# Altium PCB HVAC_Segmented_LCD.PcbDoc
Units mm, origin at the board's own origin, x right, y up, seen from the top; angles counter-clockwise.
Board outline 86.23 x 101.6 mm, 2 copper layers (Top Layer, Bottom Layer); 84 components, 65 nets, 288 pads, 206 vias.
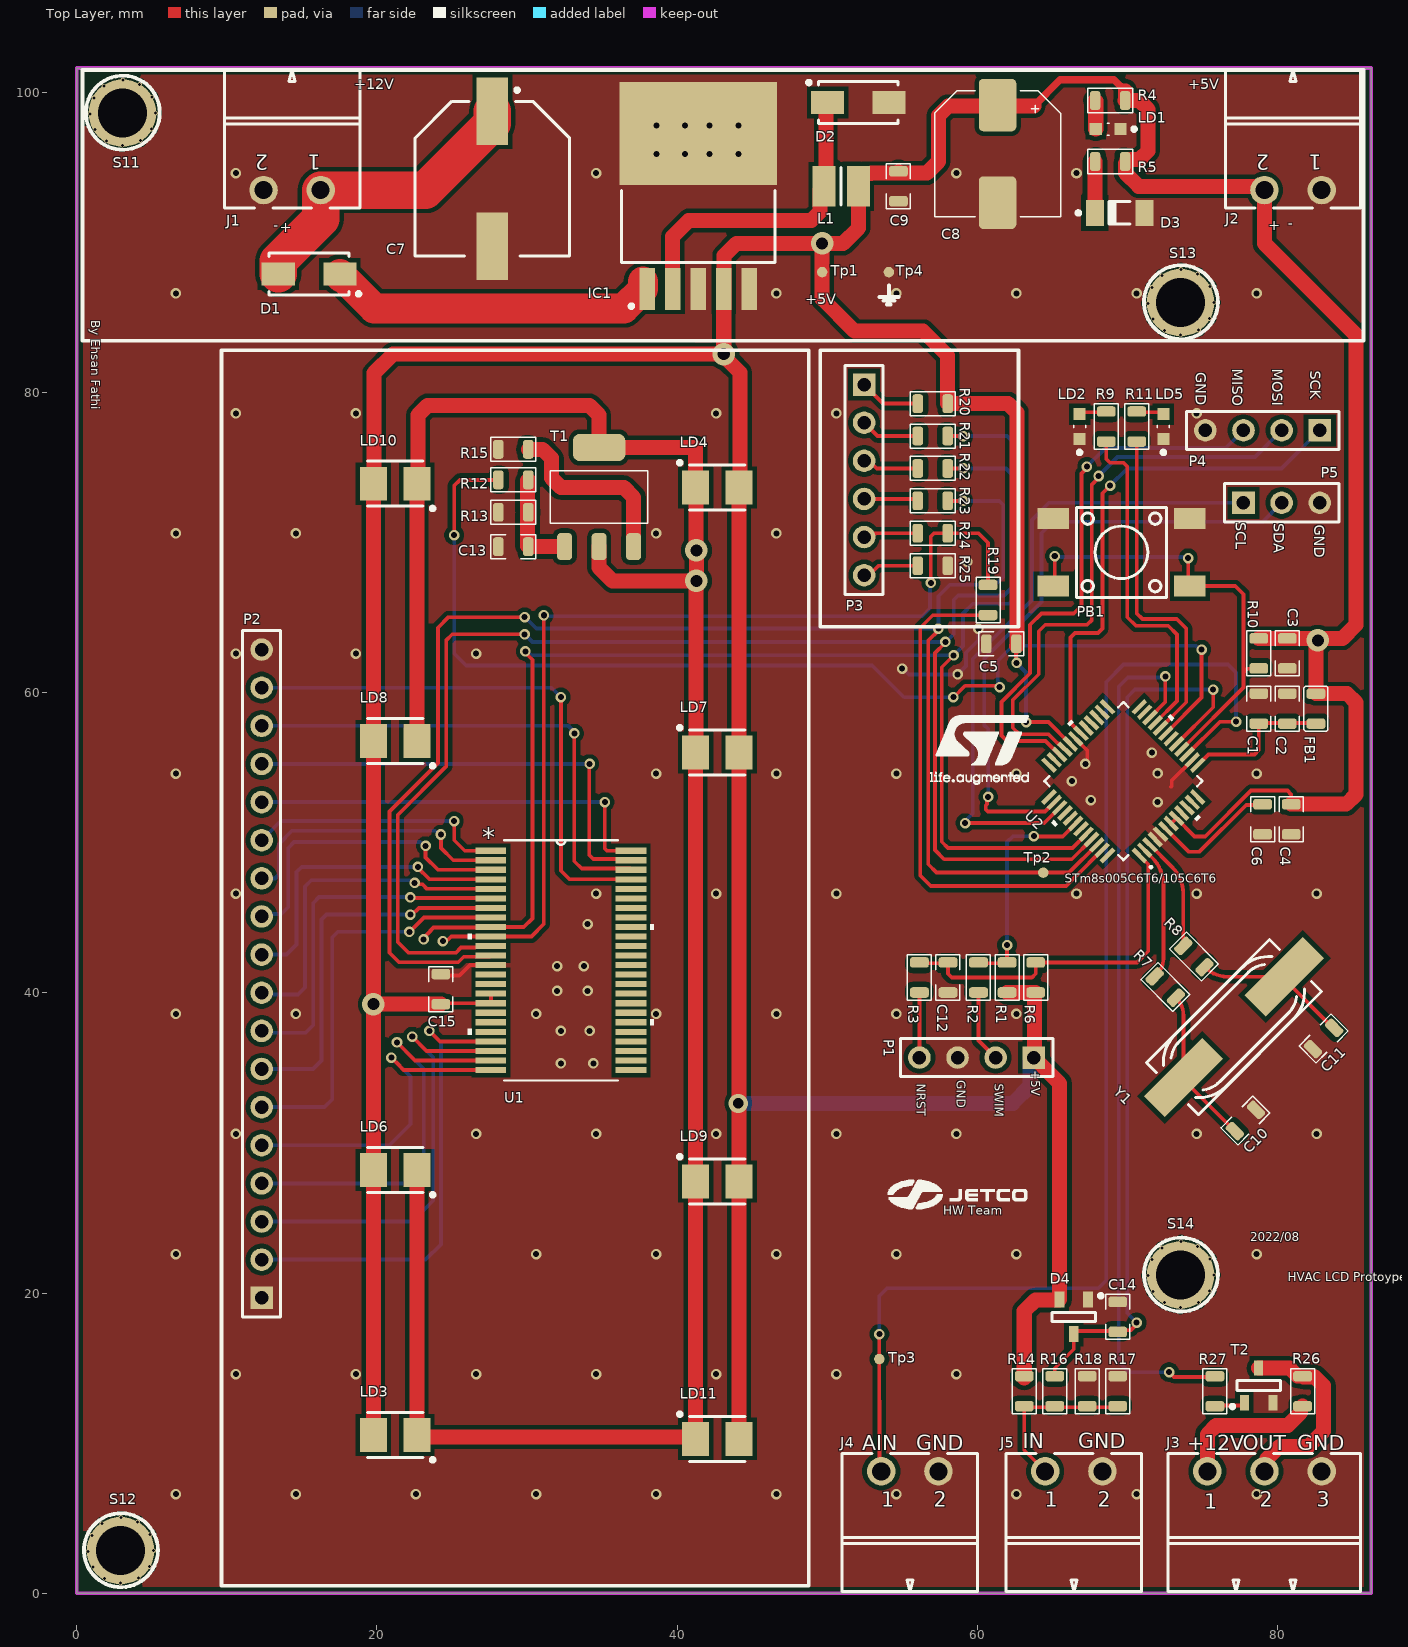
[diagram p0: Top Layer view]
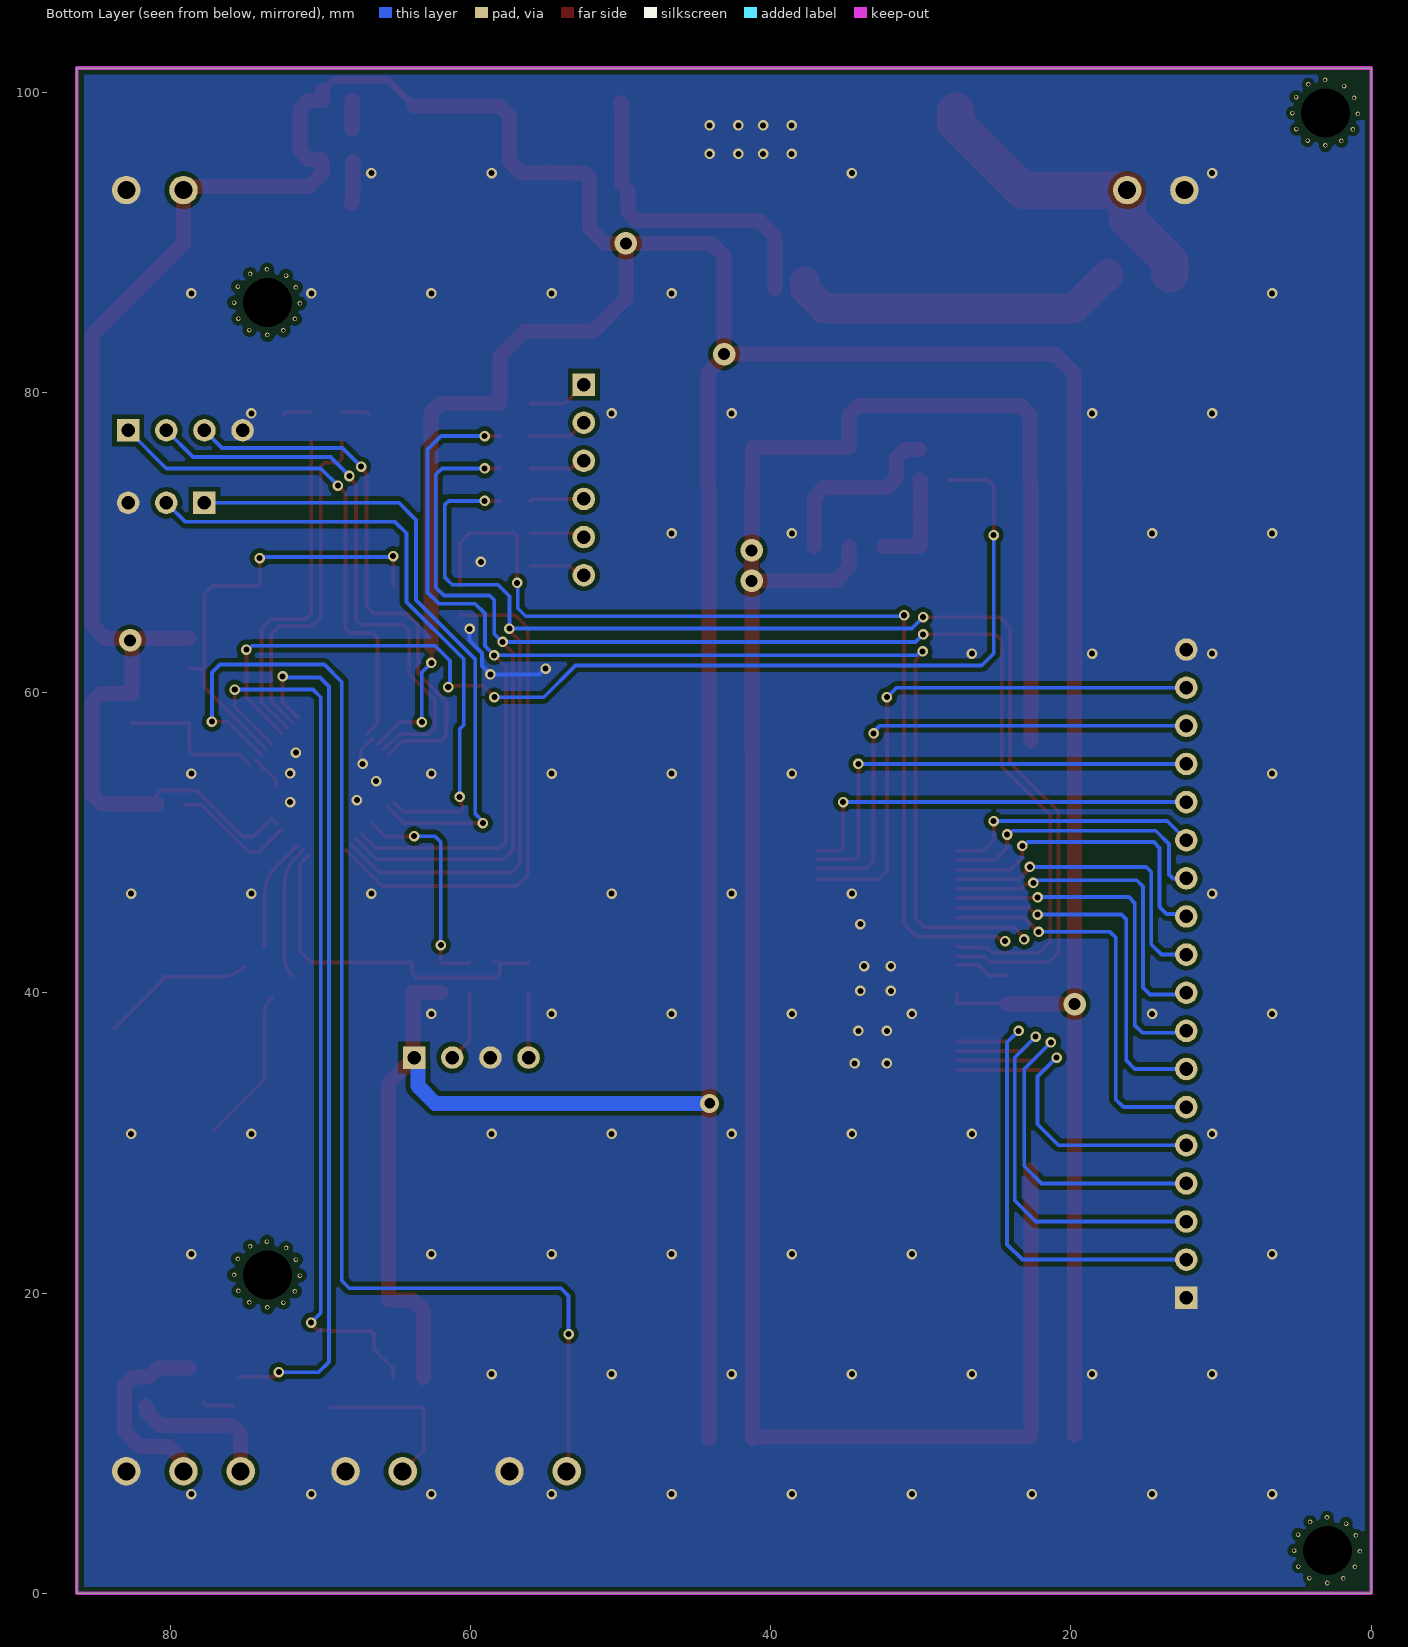
[diagram p1: Bottom Layer view, seen from below]
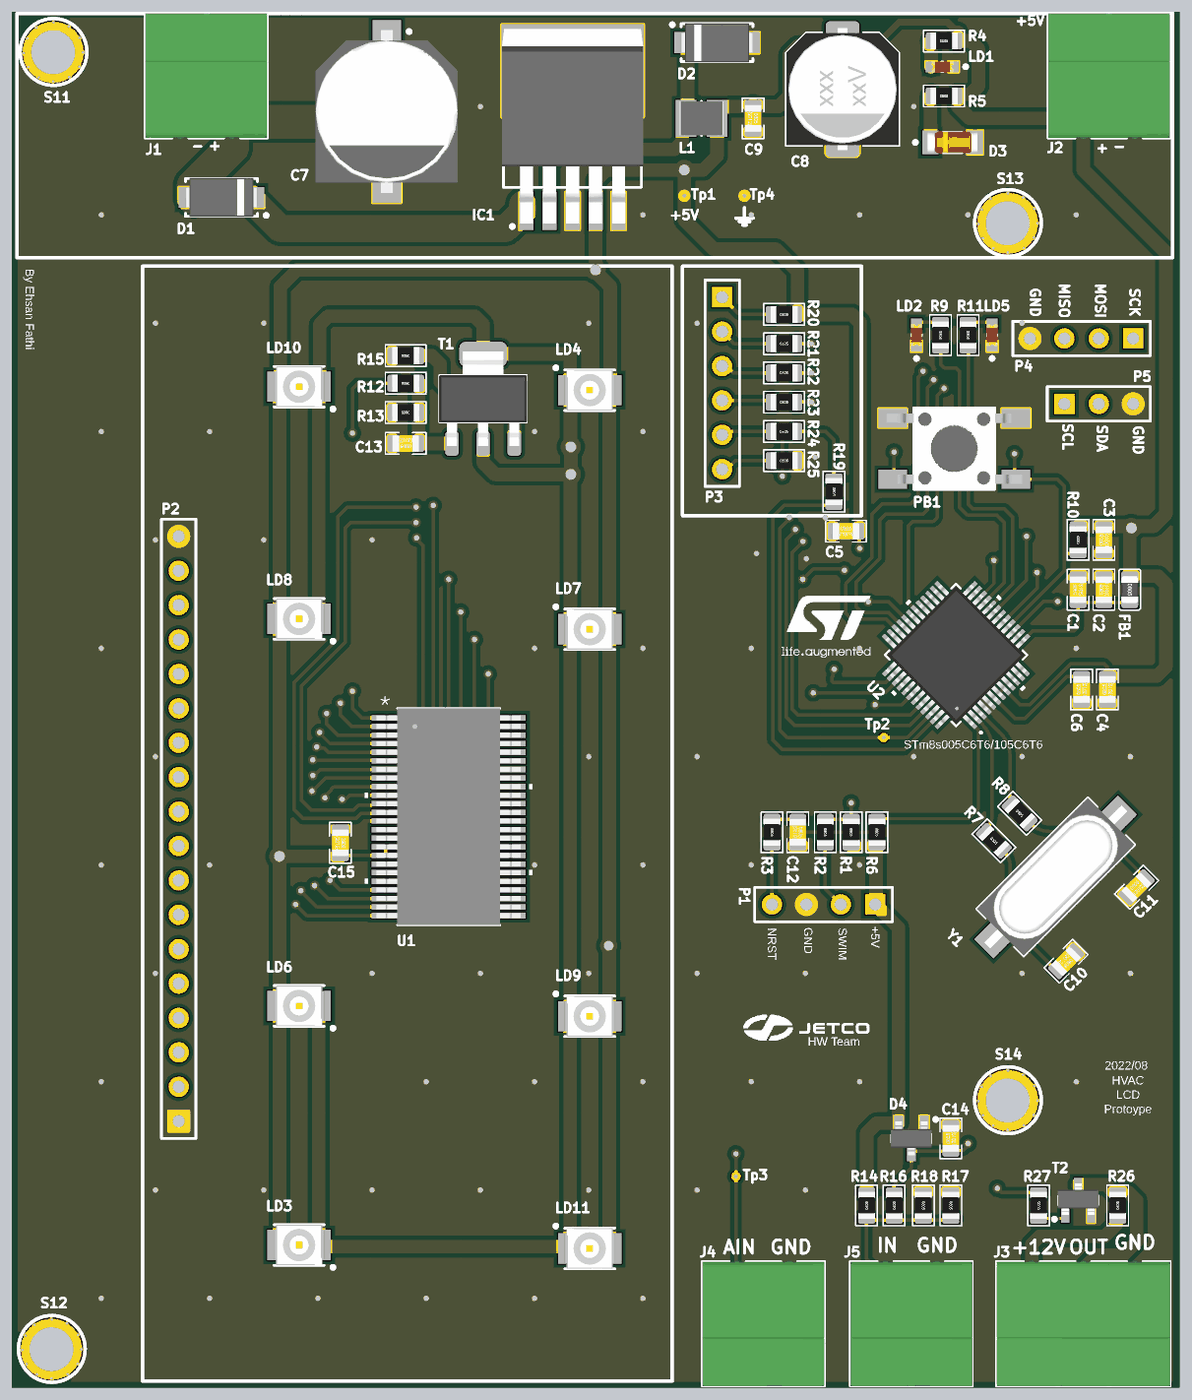
[diagram p2: 3D render of the assembled board from above, using the file's embedded part models]

## Layer stack, top to bottom
Top Solder: solder mask 0.0102, Solder Resist, Dk 3.5
Top Layer: signal copper 0.0356
Dielectric 1: dielectric 0.32, FR-4, Dk 4.8
Bottom Layer: signal copper 0.0356
Bottom Solder: solder mask 0.0102, Solder Resist, Dk 3.5

## Board outline
0,0 0,101.6 86.233,101.6 86.233,0

## Design rules (kind name [scope] priority, off if disabled: settings)
Clearance "Stitching GND" [IsStitchingVia and InNet('GND') vs (IsVia and (Not IsStitchingVia)) Or IsPad] p1: gap=0.127 ignorepadtopadclearanceinfootprint=FALSE
Clearance [All] p2: gap=0.3 ignorepadtopadclearanceinfootprint=FALSE except(0.15: Arc-SMDPad Track-SMDPad SMDPad-SMDPad; 0.2: Arc-Arc Arc-Track Track-Track)
MinimumSolderMaskSliver [All] p1: minsoldermaskwidth=0
PolygonConnect PolygonConnect_8 [All vs IsNamedPolygon('GND_L02_P001')] p1: connectstyle=Direct reliefconductorwidth=0.254 reliefentries=4 polygonreliefangle="90 Angle" airgapwidth=0.254
PolygonConnect PolygonConnect_7 [All vs IsNamedPolygon('GND_L01_P000')] p2: connectstyle=Direct reliefconductorwidth=0.254 reliefentries=4 polygonreliefangle="90 Angle" airgapwidth=0.254
PolygonConnect PolygonConnect_6 [All vs IsNamedPolygon('BUTTOM_GND') Or  IsNamedPolygon('TOP_GND')] p3: connectstyle=Direct reliefconductorwidth=0.254 reliefentries=4 polygonreliefangle="90 Angle" airgapwidth=0.254
PolygonConnect PolygonConnect_5 [All vs IsNamedPolygon('TOP_GND')] p4: connectstyle=Direct reliefconductorwidth=0.254 reliefentries=4 polygonreliefangle="90 Angle" airgapwidth=0.254
PolygonConnect PolygonConnect_4 [All vs IsNamedPolygon('BUTTOM_GND')] p5: thpad.connectstyle=Direct thpad.reliefconductorwidth=0.254 thpad.reliefentries=4 thpad.polygonreliefangle="90 Angle" thpad.airgapwidth=0.254 smdpad.connectstyle=Direct smdpad.reliefconductorwidth=0.254 smdpad.reliefentries=4 smdpad.polygonreliefangle="90 Angle" smdpad.airgapwidth=0.254 via.connectstyle=Relief via.reliefconductorwidth=0.254 via.reliefentries=4 via.polygonreliefangle="90 Angle" via.airgapwidth=0.254
PolygonConnect PolygonConnect_3 [All vs IsNamedPolygon('TOP_GND') Or  IsNamedPolygon('BUTTOM_GND')] p6: thpad.connectstyle=Direct thpad.reliefconductorwidth=0.254 thpad.reliefentries=4 thpad.polygonreliefangle="90 Angle" thpad.airgapwidth=0.254 smdpad.connectstyle=Direct smdpad.reliefconductorwidth=0.254 smdpad.reliefentries=4 smdpad.polygonreliefangle="90 Angle" smdpad.airgapwidth=0.254 via.connectstyle=Relief via.reliefconductorwidth=0.254 via.reliefentries=4 via.polygonreliefangle="90 Angle" via.airgapwidth=0.254
PolygonConnect PolygonConnect_2 [All vs IsNamedPolygon('TOP_GND') Or  IsNamedPolygon('BUTTOM_GND')] p7: thpad.connectstyle=Direct thpad.reliefconductorwidth=0.254 thpad.reliefentries=4 thpad.polygonreliefangle="90 Angle" thpad.airgapwidth=0.254 smdpad.connectstyle=Direct smdpad.reliefconductorwidth=0.254 smdpad.reliefentries=4 smdpad.polygonreliefangle="90 Angle" smdpad.airgapwidth=0.254 via.connectstyle=Relief via.reliefconductorwidth=0.254 via.reliefentries=4 via.polygonreliefangle="90 Angle" via.airgapwidth=0.254
PolygonConnect PolygonConnect_1 [All vs IsNamedPolygon('BUTTOM_GND') Or  IsNamedPolygon('TOP_GND')] p8: thpad.connectstyle=Direct thpad.reliefconductorwidth=0.254 thpad.reliefentries=4 thpad.polygonreliefangle="90 Angle" thpad.airgapwidth=0.254 smdpad.connectstyle=Direct smdpad.reliefconductorwidth=0.254 smdpad.reliefentries=4 smdpad.polygonreliefangle="90 Angle" smdpad.airgapwidth=0.254 via.connectstyle=Relief via.reliefconductorwidth=0.254 via.reliefentries=4 via.polygonreliefangle="90 Angle" via.airgapwidth=0.254
PolygonConnect [All] p9: connectstyle=Relief reliefconductorwidth=0.254 reliefentries=4 polygonreliefangle="90 Angle" airgapwidth=0.254
RoutingVias [All] p1: holewidth=0.711 width=1.27 viastyle="Through Hole" minholewidth=0.711 minwidth=1.27 maxholewidth=0.711 maxwidth=1.27
SilkToSilkClearance [All] p1: silktosilkclearance=0.1
SilkToSolderMaskClearance [IsPad] p1: minsilkscreentomaskgap=0.1 clearancetoexposedcopper=TRUE
SolderMaskExpansion [All] p1: expansion=0.102 istentingtop=FALSE
Width [All] p1: maxlimit=2.5 minlimit=0.02 preferedwidth=0.5 minimp=50.000000 maximp=50.000000 favimp=50.000000
27 further rules are at their usual default settings.

## Components (designator, comment, footprint, x,y, rotation, side; value= is the part's Value field where it differs from the comment)
C1 "100nF" "C 0805(2012)x0.65" 78.74,58.928 r90 top
C2 "1uF" "C 0805(2012)x0.65" 80.645,58.928 r90 top
C3 "100nF" "C 0805(2012)x0.65" 80.645,62.611 r90 top
C4 "100nF" "C 0805(2012)x0.65" 80.899,51.562 r90 top
C5 "100nF" "C 0805(2012)x0.65" 61.595,63.246 r0 top
C6 "680nF" "C 0805(2012)x0.65" 78.994,51.562 r90 top
C7 "220uF 50v" CAPAE1030X1020N 27.686,94.234 r270 top value=220uF
C8 "*" "EL SMD D8 h10.5" 61.341,95.885 r270 top
C9 "1uF" "C 0805(2012)x0.65" 54.737,93.726 r270 top
C10 "20pF" "C 0805(2012)x0.65" 77.851,31.496 r225 top
C11 "20pF" "C 0805(2012)x0.65" 83.058,36.957 r45 top
C12 "10nF" "C 0805(2012)x0.65" 58.039,41.021 r270 top
C13 "1uF" "C 0805(2012)x0.65" 29.083,69.723 r180 top
C14 "1uF" "C 0805(2012)x0.65" 69.342,18.415 r90 top
C15 "10nF" "C 0805(2012)x0.65" 24.257,40.243 r270 top
D1 "SMAJ12A" DIOM5127X229N 15.476,87.884 r180 top
D2 "SMAJ12A" DIOM5127X229N 52.07,99.314 r0 top
D3 "Zener 5.6v" DIOMELF3515AN 69.469,91.948 r0 top
D4 "BAS40-04-7-F" SOT95P240X110-3N 66.421,18.415 r270 top
FB1 "0.525u" "FB 0805(2012)" 82.55,58.928 r270 top
IC1 "LM2596S-5.0/NOPB" TO170P1435X465-6N-R1041X635 41.402,93.091 r90 top
J1 "" PHOENIX_1803277 14.351,93.472 r180 top
J2 "" PHOENIX_1803277 81.026,93.472 r180 top
J3 "" PHOENIX_1803280 79.121,8.128 r0 top
J4 "" PHOENIX_1803277 55.499,8.128 r0 top
J5 "" PHOENIX_1803277 66.421,8.128 r0 top
L1 "220uH" IND_MURATA-PS_8200 50.927,93.726 r0 top
LD1 "Red" LED_ROHM_SML-D12U8WT86 68.707,97.536 r180 top
LD2 "Red" LED_ROHM_SML-D12U8WT86 66.802,77.724 r90 top
LD3 "Yellow" LEDM3528X210N_YELLOW 21.209,10.541 r180 top
LD4 "Yellow" LEDM3528X210N_YELLOW 42.672,73.66 r0 top
LD5 "Red" LED_ROHM_SML-D12U8WT86 72.39,77.724 r90 top
LD6 "Yellow" LEDM3528X210N_YELLOW 21.209,28.194 r180 top
LD7 "Yellow" LEDM3528X210N_YELLOW 42.672,56.007 r0 top
LD8 "Yellow" LEDM3528X210N_YELLOW 21.209,56.769 r180 top
LD9 "Yellow" LEDM3528X210N_YELLOW 42.672,27.432 r0 top
LD10 "Yellow" LEDM3528X210N_YELLOW 21.209,73.914 r180 top
LD11 "Yellow" LEDM3528X210N_YELLOW 42.672,10.287 r0 top
P1 "Header 4" HDR1X4 63.754,35.687 r180 top
P2 "Header 18" HDR1X18 12.319,19.685 r90 top
P3 "Header 6" HDR1X6 52.451,80.518 r270 top
P4 "Header 4" HDR1X4 82.804,77.47 r180 top
P5 "Header 3" HDR1X3 77.724,72.644 r0 top
PB1 "Push Button" PB_TYCO_FSM2JSMA 69.596,69.342 r270 top
R1 "4.7k" "R 0805(2012)" 61.976,41.021 r270 top
R2 "47R" "R 0805(2012)" 60.071,41.021 r270 top
R3 "47R" "R 0805(2012)" 56.134,41.021 r270 top
R4 "8.6k" "R 0805(2012)" 68.834,99.441 r0 top
R5 "1k" "R 0805(2012)" 68.834,95.377 r0 top
R6 "10k" "R 0805(2012)" 63.881,41.021 r270 top
R7 "0R" "R 0805(2012)" 72.517,40.386 r315 top
R8 "0R" "R 0805(2012)" 74.422,42.418 r315 top
R9 "8.6k" "R 0805(2012)" 68.58,77.724 r270 top
R10 "10k" "R 0805(2012)" 78.74,62.611 r90 top
R11 "8.6k" "R 0805(2012)" 70.612,77.724 r270 top
R12 "10k" "R 0805(2012)" 29.083,74.168 r180 top
R13 "10k" "R 0805(2012)" 29.083,72.009 r180 top
R14 "1.5k" "R 0805(2012)" 63.119,13.462 r90 top
R15 "10k" "R 0805(2012)" 29.083,76.2 r180 top
R16 "100k" "R 0805(2012)" 65.151,13.462 r90 top
R17 "100k" "R 0805(2012)" 69.342,13.462 r270 top
R18 "1.5k" "R 0805(2012)" 67.31,13.462 r270 top
R19 "0R" "R 0805(2012)" 60.706,66.167 r270 top
R20 "0R" "R 0805(2012)" 57.023,79.248 r0 top
R21 "0R" "R 0805(2012)" 57.023,77.089 r0 top
R22 "0R" "R 0805(2012)" 57.023,74.93 r0 top
R23 "0R" "R 0805(2012)" 57.023,72.771 r0 top
R24 "0R" "R 0805(2012)" 57.023,70.612 r0 top
R25 "0R" "R 0805(2012)" 57.023,68.453 r0 top
R26 "4.7k" "R 0805(2012)" 81.661,13.462 r90 top
R27 "4.7k" "R 0805(2012)" 75.819,13.462 r90 top
S11 "M3" PCBComponent_1 0.889,98.552 r0 top
S12 "M3" PCBComponent_1 0.762,2.794 r0 top
S13 "M3" PCBComponent_1 71.374,85.928 r0 top
S14 "M3" PCBComponent_1 71.374,21.158 r0 top
T1 "BCP56-10" SOT223 34.798,73.025 r0 top
T2 "BC817" SOT95P230X110-3N 78.74,13.843 r90 top
Tp1 "Tp" Tp-0.7 49.657,88.011 r90 top
Tp2 "Tp" Tp-0.7 64.389,48.006 r90 top
Tp3 "Tp" Tp-0.7 53.467,15.605 r90 top
Tp4 "Tp" Tp-0.7 54.102,88.011 r90 top
U1 "HT1621B_SSOPA" DL48 32.258,42.164 r0 top
U2 "STM8S005C6T6" LQFP48-7X7mm 69.723,54.102 r135 top
Y1 "8MHz" XTAL1160X490X430 77.089,37.719 r45 top value=10MHz

## Footprints (in the part's own frame and the unit in brackets; to place one, negate y for a bottom-side part, rotate by r counter-clockwise, add the part's x,y. Pads: shape width x height; smd on the part's side, far side on the other; paste and mask are expansions set on the pad)
"C 0805(2012)x0.65" [mm]
  rrect50% 0.7x1.25 smd: 1(-1,0) 2(1,0)
  silkscreen extent -1.5,-0.8 1.5,0.8, body extent -1,-0.62 1,0.63, height 0.66
CAPAE1030X1020N [mm] "Capacitor, Aluminium Electrolytric, 10.3mm L X 10.3mm W X 10.2mm H, IPC Medium Density"
  rect 4.5x2.1 smd: 1(-4.5,0) 2(4.5,0)
  silkscreen extent -6.02,-5.15 5.15,5.15, body extent -6,-5.25 6,5.25, height 10.2
DIOM5127X229N [mm] "DO-214-AC/SMA Molded Diode, 2-Leads, Body 5.1x2.7mm, IPC Medium Density"
  rect 2.2x1.55 smd: 1(-2.05,0) 2(2.05,0)
  silkscreen extent -3.43,-1.4 2.65,1.45, body extent -2.67,-1.45 2.68,1.45, height 2.29
DIOMELF3515AN [mm] "SOD80, MELF Diode, 2-Leads, Body 3.5x1.5mm, IPC Medium Density"
  rect 1.2x1.75 smd: 1(-1.65,0) 2(1.65,0)
  silkscreen extent -2.87,-0.75 0.7,0.75, body extent -1.85,-0.8 1.85,0.8, height 1.6
DL48 [mil]
  rect 80.5x16 smd: 1(-183.75,287.5) 2(-183.75,262.5) 3(-183.75,237.5) 4(-183.75,212.5) 5(-183.75,187.5) 6(-183.75,162.5) 7(-183.75,137.5) 8(-183.75,112.5) 9(-183.75,87.5) 10(-183.75,62.5) 11(-183.75,37.5) 12(-183.75,12.5) 13(-183.75,-12.5) 14(-183.75,-37.5) 15(-183.75,-62.5) 16(-183.75,-87.5) 17(-183.75,-112.5) 18(-183.75,-137.5) 19(-183.75,-162.5) 20(-183.75,-187.5) 21(-183.75,-212.5) 22(-183.75,-237.5) 23(-183.75,-262.5) 24(-183.75,-287.5) 25(183.75,-287.5) 26(183.75,-262.5) 27(183.75,-237.5) 28(183.75,-212.5) 29(183.75,-187.5) 30(183.75,-162.5) 31(183.75,-137.5) 32(183.75,-112.5) 33(183.75,-87.5) 34(183.75,-62.5) 35(183.75,-37.5) 36(183.75,-12.5) 37(183.75,12.5) 38(183.75,37.5) 39(183.75,62.5) 40(183.75,87.5) 41(183.75,112.5) 42(183.75,137.5) 43(183.75,162.5) 44(183.75,187.5) 45(183.75,212.5) 46(183.75,237.5) 47(183.75,262.5) 48(183.75,287.5)
  silkscreen extent -244,-315 244,315, body extent -210,-315 210,315, height 110
"EL SMD D8 h10.5" [mm]
  rrect25% 3.5x2.5 smd mask+0.102: 1(-3.25,0) 2(3.25,0)
  silkscreen extent -4.2,-4.2 4.2,4.2, body extent -4.5,-4.15 4.5,4.15, height 10.8
"FB 0805(2012)" [mm]
  rrect50% 0.7x1.25 smd: 1(-1,0) 2(1,0)
  silkscreen extent -1.5,-0.8 1.5,0.8, body extent -1,-0.62 1,0.63, height 0.85
HDR1X3 [mm] "Connector; Header; 3 Position"
  rect 1.5x1.5 hole 0.9: 1(0,0)
  round 1.5 hole 0.9: 2(2.54,0) 3(5.08,0)
  silkscreen extent -1.27,-1.27 6.35,1.27
HDR1X4 [mm] "Connector; Header; 4 Position"
  rect 1.5x1.5 hole 0.9: 1(0,0)
  round 1.5 hole 0.9: 2(2.54,0) 3(5.08,0) 4(7.62,0)
  silkscreen extent -1.27,-1.27 8.89,1.27
HDR1X6 [mm] "Connector; Header; 6 Position"
  rect 1.5x1.5 hole 0.9: 1(0,0)
  round 1.5 hole 0.9: 2(2.54,0) 3(5.08,0) 4(7.62,0) 5(10.16,0) 6(12.7,0)
  silkscreen extent -1.27,-1.27 13.97,1.27
HDR1X18 [mm] "Connector; Header; 18 Position"
  rect 1.5x1.5 hole 0.9: 1(0,0)
  round 1.5 hole 0.9: 2(2.54,0) 3(5.08,0) 4(7.62,0) 5(10.16,0) 6(12.7,0) 7(15.24,0) 8(17.78,0) 9(20.32,0) 10(22.86,0) 11(25.4,0) 12(27.94,0) 13(30.48,0) 14(33.02,0) 15(35.56,0) 16(38.1,0) 17(40.64,0) 18(43.18,0)
  silkscreen extent -1.27,-1.27 44.45,1.27
IND_MURATA-PS_8200 [mm] "Miniature Surface Mount Power Inductors, 3.2mm L X 2.5mm W X 2.3mm H, MURATA 8200 Series"
  rect 1.52x2.7 smd: 1(-1.145,0) 2(1.145,0)
  silkscreen extent 0,-1.25 0,1.25, body extent -1.6,-1.25 1.6,1.25, height 2.3
LED_ROHM_SML-D12U8WT86 [mm] "Red Chip LED, 2-Leads, Body 1.6x0.8mm (0603), SML-D12x8 Series"
  rect 0.8x0.8 smd: 1(-0.825,0) 2(0.825,0)
  silkscreen extent -1.85,-0.4 0.08,0.4, body extent -0.8,-0.4 0.8,0.4, height 0.55
LEDM3528X210N_YELLOW [mm] "Molded SMD YELLOW LED, 2-Leads, Body 3.5x2.8mm, IPC Medium Density"
  rect 1.8x2.25 smd: 1(-1.45,0) 2(1.45,0)
  silkscreen extent -2.63,-1.5 1.85,1.77, body extent -1.85,-1.5 1.85,1.5, height 2.1
LQFP48-7X7mm [mm]
  rect 1.194x0.305 smd paste+0 mask+0: 1(-4.25,2.75) 2(-4.25,2.25) 3(-4.25,1.75) 4(-4.25,1.25) 5(-4.25,0.75) 6(-4.25,0.25) 7(-4.25,-0.25) 8(-4.25,-0.75) 9(-4.25,-1.25) 10(-4.25,-1.75) 11(-4.25,-2.25) 12(-4.25,-2.75) 25(4.25,-2.75) 26(4.25,-2.25) 27(4.25,-1.75) 28(4.25,-1.25) 29(4.25,-0.75) 30(4.25,-0.25) 31(4.25,0.25) 32(4.25,0.75) 33(4.25,1.25) 34(4.25,1.75) 35(4.25,2.25) 36(4.25,2.75)
  rect 0.305x1.194 smd paste+0 mask+0: 13(-2.75,-4.25) 14(-2.25,-4.25) 15(-1.75,-4.25) 16(-1.25,-4.25) 17(-0.75,-4.25) 18(-0.25,-4.25) 19(0.25,-4.25) 20(0.75,-4.25) 21(1.25,-4.25) 22(1.75,-4.25) 23(2.25,-4.25) 24(2.75,-4.25) 37(2.75,4.25) 38(2.25,4.25) 39(1.75,4.25) 40(1.25,4.25) 41(0.75,4.25) 42(0.25,4.25) 43(-0.25,4.25) 44(-0.75,4.25) 45(-1.25,4.25) 46(-1.75,4.25) 47(-2.25,4.25) 48(-2.75,4.25)